# Altium PCB PCB1.PcbDoc (part 5 of 15) (continued)
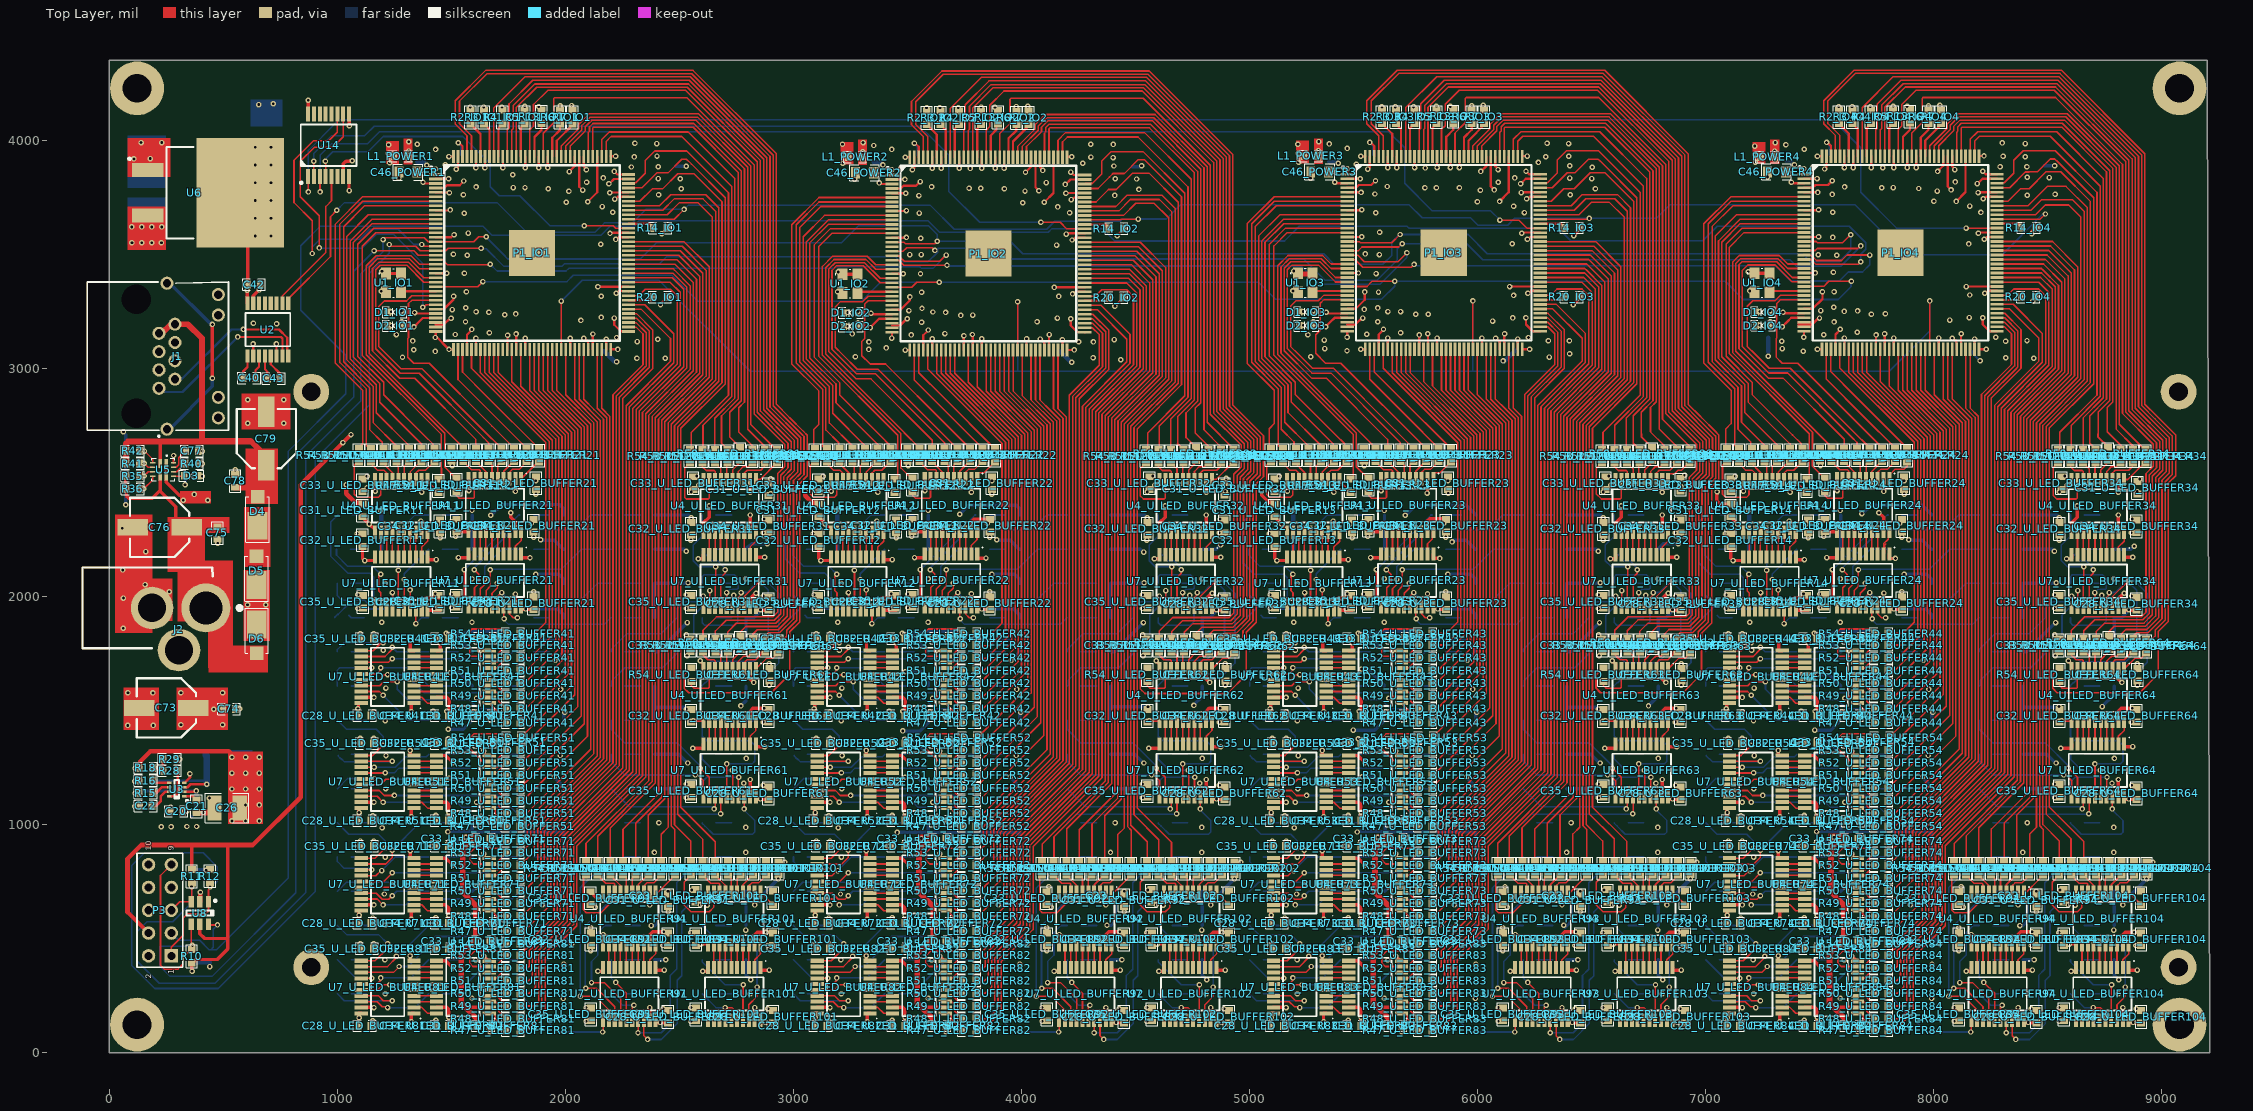
[diagram p0: Top Layer view]
## Nets (pads, with @x,y where several pads share a name; then routed paths per layer and width w, separated by ;. In a path a pad name is that pad's centre, name@x,y a point inside that pad or via, vN(x,y) a via of type N, cw(c..) or ccw(c..) an arc to the next point about the centre after c; other vN are vias at no path point) (continued)
GPIO_20_IO4: P1_IO4.113 R51_U_LED_BUFFER34.2 | length 2136.9
  Top Layer w7: P1_IO4.113@8120.85,3929.87 8120.85,4054.06 8124.95,4058.17 8561.63,4058.17 8758.58,3861.21 8758.58,2881.04 8758.58,2865.72 8685.63,2792.77 8685.63,2672.51 R51_U_LED_BUFFER34.2@8711.35,2646.79 ; 8684.63,2671.51 R51_U_LED_BUFFER34.2@8710.35,2645.79
GPIO_21_IO1: P1_IO1.111 R52_U_LED_BUFFER31.2 | length 1981.2
  Top Layer w7: P1_IO1.111@2159.22,3928.87 2159.22,4003.59 2192.48,4036.85 2538.78,4036.85 2743.58,3832.05 2743.58,2870.51 2654.63,2781.57 2654.63,2646.79 R52_U_LED_BUFFER31.2@2655.63,2645.79
GPIO_21_IO2: P1_IO2.111 R52_U_LED_BUFFER32.2 | length 1982.6
  Top Layer w7: P1_IO2.111@4160.32,3926.27 4160.32,4000.99 4193.58,4034.25 4539.88,4034.25 4744.68,3829.45 4744.68,2867.91 4655.73,2778.97 4655.73,2644.19 R52_U_LED_BUFFER32.2@4656.73,2643.19 ; R52_U_LED_BUFFER32.2@4654.63,2646.79 R52_U_LED_BUFFER32.2@4655.63,2645.79
GPIO_21_IO3: P1_IO3.111 R52_U_LED_BUFFER33.2 | length 1982.6
  Top Layer w7: P1_IO3.111@6157.22,3929.72 6157.22,4004.44 6190.48,4037.7 6536.78,4037.7 6741.58,3832.9 6741.58,2871.36 6652.63,2782.42 6652.63,2647.64 R52_U_LED_BUFFER33.2@6653.63,2646.64 ; R52_U_LED_BUFFER33.2@6654.63,2646.79 R52_U_LED_BUFFER33.2@6655.63,2645.79
GPIO_21_IO4: P1_IO4.111 R52_U_LED_BUFFER34.2 | length 1982.6
  Top Layer w7: P1_IO4.111@8160.22,3929.87 8160.22,4004.59 8193.48,4037.85 8539.78,4037.85 8744.58,3833.05 8744.58,2871.51 8655.63,2782.57 8655.63,2647.79 R52_U_LED_BUFFER34.2@8656.63,2646.79 ; R52_U_LED_BUFFER34.2@8654.63,2646.79 R52_U_LED_BUFFER34.2@8655.63,2645.79
GPIO_22_IO1: P1_IO1.110 R53_U_LED_BUFFER31.2 | length 1927.7
  Top Layer w7: P1_IO1.110@2178.9,3928.87 2178.9,3995.44 2200.63,4017.17 2510.43,4017.17 2729.58,3798.01 2729.58,2883.93 2729.58,2876.31 2603.52,2750.25 R53_U_LED_BUFFER31.2@2603.52,2639.51
GPIO_22_IO2: P1_IO2.110 R53_U_LED_BUFFER32.2 | length 1927.7
  Top Layer w7: P1_IO2.110@4180,3926.27 4180,3992.84 4201.73,4014.57 4511.53,4014.57 4730.68,3795.41 4730.68,2881.33 4730.68,2873.71 4604.62,2747.65 R53_U_LED_BUFFER32.2@4604.62,2636.91
GPIO_22_IO3: P1_IO3.110 R53_U_LED_BUFFER33.2 | length 1927.7
  Top Layer w7: P1_IO3.110@6176.9,3929.72 6176.9,3996.29 6198.63,4018.01 6508.43,4018.01 6727.58,3798.86 6727.58,2884.78 6727.58,2877.16 6601.52,2751.1 R53_U_LED_BUFFER33.2@6601.52,2640.36
GPIO_22_IO4: P1_IO4.110 R53_U_LED_BUFFER34.2 | length 1927.7
  Top Layer w7: P1_IO4.110@8179.9,3929.87 8179.9,3996.44 8201.63,4018.17 8511.43,4018.17 8730.58,3799.01 8730.58,2884.93 8730.58,2877.31 8604.52,2751.25 R53_U_LED_BUFFER34.2@8604.52,2640.51
GPIO_23_IO1: P1_IO1.106 R54_U_LED_BUFFER31.2 | length 1801.5
  Top Layer w7: P1_IO1.106@2276.85,3811.23 2279.26,3813.63 2309.36,3813.63 2351.01,3855.28 2351.01,3911.88 2392.65,3953.52 2532.56,3953.52 2715.58,3770.51 2715.58,2882.11 2552.63,2719.16 2552.63,2652.22 R54_U_LED_BUFFER31.2@2546.2,2645.79
GPIO_23_IO2: P1_IO2.106 R54_U_LED_BUFFER32.2 | length 1810.6
  Top Layer w7: P1_IO2.106@4277.95,3808.63 4280.36,3811.03 4310.46,3811.03 4352.11,3852.68 4352.11,3909.28 4393.75,3950.92 4533.66,3950.92 4716.68,3767.91 4716.68,2879.51 4553.73,2716.56 4553.73,2649.62 R54_U_LED_BUFFER32.2@4547.3,2643.19 ; R54_U_LED_BUFFER32.2@4546.2,2645.79 R54_U_LED_BUFFER32.2@4552.63,2652.22
GPIO_23_IO3: P1_IO3.106 R54_U_LED_BUFFER33.2 | length 1810.6
  Top Layer w7: P1_IO3.106@6274.85,3812.08 6277.26,3814.48 6307.36,3814.48 6349.01,3856.12 6349.01,3912.73 6390.65,3954.37 6530.56,3954.37 6713.58,3771.35 6713.58,2882.96 6550.63,2720.01 6550.63,2653.07 R54_U_LED_BUFFER33.2@6544.2,2646.64 ; R54_U_LED_BUFFER33.2@6546.2,2645.79 R54_U_LED_BUFFER33.2@6552.63,2652.22
GPIO_23_IO4: P1_IO4.106 R54_U_LED_BUFFER34.2 | length 1810.6
  Top Layer w7: P1_IO4.106@8277.85,3812.23 8280.26,3814.63 8310.36,3814.63 8352.01,3856.28 8352.01,3912.88 8393.65,3954.52 8533.56,3954.52 8716.58,3771.51 8716.58,2883.11 8553.63,2720.16 8553.63,2653.22 R54_U_LED_BUFFER34.2@8547.2,2646.79 ; R54_U_LED_BUFFER34.2@8546.2,2645.79 R54_U_LED_BUFFER34.2@8552.63,2652.22
GPIO_24_IO1: P1_IO1.52 R47_U_LED_BUFFER41.2 | length 1810.5
  Top Layer w7: R47_U_LED_BUFFER41.2@1800.63,1447.16 2013.2,1659.73 2013.2,2699.66 2013.2,2714.01 1804.89,2922.32 P1_IO1.52@1804.89,3083.35
GPIO_24_IO2: P1_IO2.52 R47_U_LED_BUFFER42.2 | length 1808.4
  Top Layer w7: R47_U_LED_BUFFER42.2@3800.63,1447.16 3800.63,1448.03 4014.3,1661.69 4014.3,2697.06 4014.3,2711.41 3805.99,2919.72 P1_IO2.52@3805.99,3080.75
GPIO_24_IO3: P1_IO3.52 R47_U_LED_BUFFER43.2 | length 1810.5
  Top Layer w7: R47_U_LED_BUFFER43.2@5798.63,1448.01 6011.2,1660.58 6011.2,2700.51 6011.2,2714.86 5802.89,2923.17 P1_IO3.52@5802.89,3084.2
GPIO_24_IO4: P1_IO4.52 R47_U_LED_BUFFER44.2 | length 1810.5
  Top Layer w7: R47_U_LED_BUFFER44.2@7801.63,1448.16 8014.2,1660.73 8014.2,2700.66 8014.2,2715.01 7805.89,2923.32 P1_IO4.52@7805.89,3084.35
GPIO_25_IO1: P1_IO1.50 R48_U_LED_BUFFER41.2 | length 1770.1
  Top Layer w7: P1_IO1.50@1765.51,3083.35 1765.51,2941.89 1999.2,2708.21 1999.2,2693.86 1999.2,1679.57 1827.9,1508.28 R48_U_LED_BUFFER41.2@1800.63,1508.28
GPIO_25_IO2: P1_IO2.50 R48_U_LED_BUFFER42.2 | length 1770.1
  Top Layer w7: P1_IO2.50@3766.61,3080.75 3766.61,2939.29 4000.3,2705.61 4000.3,2691.26 4000.3,1676.97 3829,1505.68 R48_U_LED_BUFFER42.2@3801.73,1505.68
GPIO_25_IO3: P1_IO3.50 R48_U_LED_BUFFER43.2 | length 1770.1
  Top Layer w7: P1_IO3.50@5763.51,3084.2 5763.51,2942.74 5997.2,2709.06 5997.2,2694.71 5997.2,1680.42 5825.9,1509.13 R48_U_LED_BUFFER43.2@5798.63,1509.13
GPIO_25_IO4: P1_IO4.50 R48_U_LED_BUFFER44.2 | length 1770.1
  Top Layer w7: P1_IO4.50@7766.51,3084.35 7766.51,2942.89 8000.2,2709.21 8000.2,2694.86 8000.2,1680.57 7828.9,1509.28 R48_U_LED_BUFFER44.2@7801.63,1509.28
GPIO_26_IO1: P1_IO1.47 R49_U_LED_BUFFER41.2 | length 1729.4
  Top Layer w7: P1_IO1.47@1706.46,3083.35 1706.46,2981.15 1985.2,2702.41 1985.2,2684.95 1985.2,1717.64 1977.58,1710.03 1964.4,1696.85 1831.39,1563.83 R49_U_LED_BUFFER41.2@1800.63,1563.83
GPIO_26_IO2: P1_IO2.47 R49_U_LED_BUFFER42.2 | length 1729.4
  Top Layer w7: P1_IO2.47@3707.56,3080.75 3707.56,2978.55 3986.3,2699.81 3986.3,2682.35 3986.3,1715.04 3978.68,1707.43 3965.5,1694.25 3832.49,1561.23 R49_U_LED_BUFFER42.2@3801.73,1561.23
GPIO_26_IO3: P1_IO3.47 R49_U_LED_BUFFER43.2 | length 1732.2
  Top Layer w7: P1_IO3.47@5704.46,3084.2 5704.46,2982 5983.2,2703.26 5983.2,2685.8 5983.2,1713.73 5834.15,1564.68 R49_U_LED_BUFFER43.2@5798.63,1564.68
GPIO_26_IO4: P1_IO4.47 R49_U_LED_BUFFER44.2 | length 1729.4
  Top Layer w7: P1_IO4.47@7707.46,3084.35 7707.46,2982.15 7986.2,2703.41 7986.2,2685.95 7986.2,1718.64 7978.58,1711.03 7965.4,1697.85 7832.39,1564.83 R49_U_LED_BUFFER44.2@7801.63,1564.83
GPIO_27_IO1: P1_IO1.46 R50_U_LED_BUFFER41.2 | length 1664.6
  Top Layer w7: P1_IO1.46@1686.77,3083.35 1686.77,2981.04 1971.2,2696.61 1971.2,2689.39 1971.2,1769.2 1821.38,1619.39 R50_U_LED_BUFFER41.2@1800.63,1619.39
GPIO_27_IO2: P1_IO2.46 R50_U_LED_BUFFER42.2 | length 1660.2
  Top Layer w7: P1_IO2.46@3687.87,3080.75 3687.87,2978.44 3972.3,2694.01 3972.3,2686.79 3972.3,1774.14 3814.95,1616.79 R50_U_LED_BUFFER42.2@3801.73,1616.79
GPIO_27_IO3: P1_IO3.46 R50_U_LED_BUFFER43.2 | length 1664.6
  Top Layer w7: P1_IO3.46@5684.77,3084.2 5684.77,2981.89 5969.2,2697.46 5969.2,2690.24 5969.2,1770.05 5819.38,1620.24 R50_U_LED_BUFFER43.2@5798.63,1620.24
GPIO_27_IO4: P1_IO4.46 R50_U_LED_BUFFER44.2 | length 1664.6
  Top Layer w7: P1_IO4.46@7687.77,3084.35 7687.77,2982.04 7972.2,2697.61 7972.2,2690.39 7972.2,1770.2 7822.38,1620.39 R50_U_LED_BUFFER44.2@7801.63,1620.39
GPIO_28_IO1: P1_IO1.45 R51_U_LED_BUFFER41.2 | length 1610.7
  Top Layer w7: P1_IO1.45@1667.09,3083.35 1667.09,2980.92 1957.2,2690.82 1957.2,1802.03 1830.11,1674.94 R51_U_LED_BUFFER41.2@1800.63,1674.94
GPIO_28_IO2: P1_IO2.45 R51_U_LED_BUFFER42.2 | length 1610.7
  Top Layer w7: P1_IO2.45@3668.19,3080.75 3668.19,2978.32 3958.3,2688.22 3958.3,1799.43 3831.21,1672.34 R51_U_LED_BUFFER42.2@3801.73,1672.34
GPIO_28_IO3: P1_IO3.45 R51_U_LED_BUFFER43.2 | length 1610.7
  Top Layer w7: P1_IO3.45@5665.09,3084.2 5665.09,2981.77 5955.2,2691.66 5955.2,1802.88 5828.11,1675.79 R51_U_LED_BUFFER43.2@5798.63,1675.79
GPIO_28_IO4: P1_IO4.45 R51_U_LED_BUFFER44.2 | length 1610.7
  Top Layer w7: P1_IO4.45@7668.09,3084.35 7668.09,2981.92 7958.2,2691.82 7958.2,1803.03 7831.11,1675.94 R51_U_LED_BUFFER44.2@7801.63,1675.94
GPIO_29_IO1: P1_IO1.44 R52_U_LED_BUFFER41.2 | length 1560.2
  Top Layer w7: P1_IO1.44@1647.4,3083.35 1647.4,3001.78 1647.4,2980.81 1943.2,2685.02 1943.2,1829.14 1844.55,1730.5 R52_U_LED_BUFFER41.2@1800.63,1730.5
GPIO_29_IO2: P1_IO2.44 R52_U_LED_BUFFER42.2 | length 1560.2
  Top Layer w7: P1_IO2.44@3648.5,3080.75 3648.5,2999.18 3648.5,2978.21 3944.3,2682.42 3944.3,1826.54 3845.65,1727.9 R52_U_LED_BUFFER42.2@3801.73,1727.9
GPIO_29_IO3: P1_IO3.44 R52_U_LED_BUFFER43.2 | length 1560.2
  Top Layer w7: P1_IO3.44@5645.4,3084.2 5645.4,3002.63 5645.4,2981.66 5941.2,2685.87 5941.2,1829.99 5842.55,1731.35 R52_U_LED_BUFFER43.2@5798.63,1731.35
GPIO_29_IO4: P1_IO4.44 R52_U_LED_BUFFER44.2 | length 1560.2
  Top Layer w7: P1_IO4.44@7648.4,3084.35 7648.4,3002.78 7648.4,2981.81 7944.2,2686.02 7944.2,1830.14 7845.55,1731.5 R52_U_LED_BUFFER44.2@7801.63,1731.5
GPIO_30_IO1: P1_IO1.43 R53_U_LED_BUFFER41.2 | length 1510.6
  Top Layer w7: P1_IO1.43@1627.72,3083.35 1627.72,3001.67 1627.72,2980.69 1929.2,2679.22 1929.2,1854.61 1860.64,1786.05 R53_U_LED_BUFFER41.2@1800.63,1786.05
GPIO_30_IO2: P1_IO2.43 R53_U_LED_BUFFER42.2 | length 1510.6
  Top Layer w7: P1_IO2.43@3628.82,3080.75 3628.82,2999.07 3628.82,2978.09 3930.3,2676.62 3930.3,1852.01 3861.74,1783.45 R53_U_LED_BUFFER42.2@3801.73,1783.45
GPIO_30_IO3: P1_IO3.43 R53_U_LED_BUFFER43.2 | length 1510.6
  Top Layer w7: P1_IO3.43@5625.72,3084.2 5625.72,3002.52 5625.72,2981.54 5927.2,2680.07 5927.2,1855.46 5858.64,1786.9 R53_U_LED_BUFFER43.2@5798.63,1786.9
GPIO_30_IO4: P1_IO4.43 R53_U_LED_BUFFER44.2 | length 1510.6
  Top Layer w7: P1_IO4.43@7628.72,3084.35 7628.72,3002.67 7628.72,2981.69 7930.2,2680.22 7930.2,1855.61 7861.64,1787.05 R53_U_LED_BUFFER44.2@7801.63,1787.05
GPIO_31_IO1: P1_IO1.41 R54_U_LED_BUFFER41.2 | length 1466.1
  Top Layer w7: P1_IO1.41@1588.35,3083.35 1588.35,3072.47 1588.35,3021.24 1588.35,3000.27 1913.88,2674.74 1913.88,2257.8 1913.88,2239.16 1913.88,1885.34 1865.7,1837.16 R54_U_LED_BUFFER41.2@1800.63,1837.16
GPIO_31_IO2: P1_IO2.41 R54_U_LED_BUFFER42.2 | length 1466.1
  Top Layer w7: P1_IO2.41@3589.45,3080.75 3589.45,3069.87 3589.45,3018.64 3589.45,2997.67 3914.98,2672.14 3914.98,2255.2 3914.98,2236.56 3914.98,1882.74 3866.8,1834.56 R54_U_LED_BUFFER42.2@3801.73,1834.56
GPIO_31_IO3: P1_IO3.41 R54_U_LED_BUFFER43.2 | length 1467.1
  Top Layer w7: P1_IO3.41@5586.35,3084.2 5586.35,3073.32 5586.35,3022.09 5586.35,3001.12 5913.2,2674.27 5913.2,1887.51 5863.7,1838.01 R54_U_LED_BUFFER43.2@5798.63,1838.01
GPIO_31_IO4: P1_IO4.41 R54_U_LED_BUFFER44.2 | length 1466.1
  Top Layer w7: P1_IO4.41@7589.35,3084.35 7589.35,3073.47 7589.35,3022.24 7589.35,3001.27 7914.88,2675.74 7914.88,2258.8 7914.88,2240.16 7914.88,1886.34 7866.7,1838.16 R54_U_LED_BUFFER44.2@7801.63,1838.16
GPIO_32_IO1: P1_IO1.62 R47_U_LED_BUFFER51.2 | length 2280.5
  Top Layer w7: R47_U_LED_BUFFER51.2@1799.83,992.06 1805.52,992.06 2125.2,1311.73 2125.2,1451.53 2125.2,1452.7 2125.2,2147.27 2125.2,2760.4 2001.74,2883.86 P1_IO1.62@2001.74,3083.35
GPIO_32_IO2: P1_IO2.62 R47_U_LED_BUFFER52.2 | length 2280.5
  Top Layer w7: R47_U_LED_BUFFER52.2@3800.93,989.46 3806.62,989.46 4126.3,1309.13 4126.3,1448.93 4126.3,1450.1 4126.3,2144.67 4126.3,2757.8 4002.84,2881.26 P1_IO2.62@4002.84,3080.75
GPIO_32_IO3: P1_IO3.62 R47_U_LED_BUFFER53.2 | length 2280.5
  Top Layer w7: R47_U_LED_BUFFER53.2@5797.83,992.91 5803.52,992.91 6123.2,1312.58 6123.2,1452.38 6123.2,1453.55 6123.2,2148.12 6123.2,2761.25 5999.74,2884.71 P1_IO3.62@5999.74,3084.2
GPIO_32_IO4: P1_IO4.62 R47_U_LED_BUFFER54.2 | length 2280.5
  Top Layer w7: R47_U_LED_BUFFER54.2@7800.83,993.06 7806.52,993.06 8126.2,1312.73 8126.2,1452.53 8126.2,1453.7 8126.2,2148.27 8126.2,2761.4 8002.74,2884.86 P1_IO4.62@8002.74,3084.35
GPIO_33_IO1: P1_IO1.60 R48_U_LED_BUFFER51.2 | length 2242.3
  Top Layer w7: R48_U_LED_BUFFER51.2@1800.63,1048.28 1829.48,1048.28 2111.2,1329.99 2111.2,1457.33 2111.2,1458.5 2111.2,2141.47 2111.2,2740.57 2111.2,2754.6 1962.37,2903.43 P1_IO1.60@1962.37,3083.35
GPIO_33_IO2: P1_IO2.60 R48_U_LED_BUFFER52.2 | length 2242.3
  Top Layer w7: R48_U_LED_BUFFER52.2@3801.73,1045.68 3830.58,1045.68 4112.3,1327.39 4112.3,1454.73 4112.3,1455.9 4112.3,2138.87 4112.3,2737.97 4112.3,2752 3963.47,2900.83 P1_IO2.60@3963.47,3080.75
GPIO_33_IO3: P1_IO3.60 R48_U_LED_BUFFER53.2 | length 2242.3
  Top Layer w7: R48_U_LED_BUFFER53.2@5798.63,1049.13 5827.48,1049.13 6109.2,1330.84 6109.2,1458.18 6109.2,1459.35 6109.2,2142.32 6109.2,2741.42 6109.2,2755.45 5960.37,2904.28 P1_IO3.60@5960.37,3084.2
GPIO_33_IO4: P1_IO4.60 R48_U_LED_BUFFER54.2 | length 2242.3
  Top Layer w7: R48_U_LED_BUFFER54.2@7801.63,1049.28 7830.48,1049.28 8112.2,1330.99 8112.2,1458.33 8112.2,1459.5 8112.2,2142.47 8112.2,2741.57 8112.2,2755.6 7963.37,2904.43 P1_IO4.60@7963.37,3084.35
GPIO_34_IO1: P1_IO1.59 R49_U_LED_BUFFER51.2 | length 2174
  Top Layer w7: R49_U_LED_BUFFER51.2@1800.63,1103.83 1813.72,1103.83 2097.2,1387.31 2097.2,1463.13 2097.2,1464.3 2097.2,2135.68 2097.2,2734.77 2097.2,2748.8 1942.68,2903.32 P1_IO1.59@1942.68,3083.35
GPIO_34_IO2: P1_IO2.59 R49_U_LED_BUFFER52.2 | length 2170.7
  Top Layer w7: R49_U_LED_BUFFER52.2@3801.73,1101.23 3809.15,1101.23 4098.3,1390.37 4098.3,1460.53 4098.3,1461.7 4098.3,2133.08 4098.3,2732.17 4098.3,2746.2 3943.78,2900.72 P1_IO2.59@3943.78,3080.75
GPIO_34_IO3: P1_IO3.59 R49_U_LED_BUFFER53.2 | length 2174
  Top Layer w7: R49_U_LED_BUFFER53.2@5798.63,1104.68 5811.72,1104.68 6095.2,1388.16 6095.2,1463.98 6095.2,1465.15 6095.2,2136.52 6095.2,2735.62 6095.2,2749.65 5940.68,2904.17 P1_IO3.59@5940.68,3084.2
GPIO_34_IO4: P1_IO4.59 R49_U_LED_BUFFER54.2 | length 2174
  Top Layer w7: R49_U_LED_BUFFER54.2@7801.63,1104.83 7814.72,1104.83 8098.2,1388.31 8098.2,1464.13 8098.2,1465.3 8098.2,2136.68 8098.2,2735.77 8098.2,2749.8 7943.68,2904.32 P1_IO4.59@7943.68,3084.35
GPIO_35_IO1: P1_IO1.58 R50_U_LED_BUFFER51.2 | length 2107.4
  Top Layer w7: R50_U_LED_BUFFER51.2@1800.63,1159.39 2028.63,1387.39 2083.2,1441.95 2083.2,1468.93 2083.2,1470.1 2083.2,2122.19 2083.2,2728.97 2083.2,2743.01 1923,2903.21 1923,3074.8 P1_IO1.58@1923,3083.35
GPIO_35_IO2: P1_IO2.58 R50_U_LED_BUFFER52.2 | length 2105.2
  Top Layer w7: R50_U_LED_BUFFER52.2@3800.63,1159.39 3800.63,1162.82 4084.3,1446.48 4084.3,1466.33 4084.3,1467.5 4084.3,2119.59 4084.3,2726.37 4084.3,2740.41 3924.1,2900.61 3924.1,3072.2 P1_IO2.58@3924.1,3080.75
GPIO_35_IO3: P1_IO3.58 R50_U_LED_BUFFER53.2 | length 2107.4
  Top Layer w7: R50_U_LED_BUFFER53.2@5798.63,1160.24 6026.63,1388.24 6081.2,1442.8 6081.2,1469.78 6081.2,1470.95 6081.2,2123.04 6081.2,2729.82 6081.2,2743.85 5921,2904.06 5921,3075.65 P1_IO3.58@5921,3084.2
GPIO_35_IO4: P1_IO4.58 R50_U_LED_BUFFER54.2 | length 2107.4
  Top Layer w7: R50_U_LED_BUFFER54.2@7801.63,1160.39 8029.63,1388.39 8084.2,1442.95 8084.2,1469.93 8084.2,1471.1 8084.2,2123.19 8084.2,2729.97 8084.2,2744.01 7924,2904.21 7924,3075.8 P1_IO4.58@7924,3084.35
GPIO_36_IO1: P1_IO1.57 R51_U_LED_BUFFER51.2 | length 2052.8
  Top Layer w7: R51_U_LED_BUFFER51.2@1800.63,1214.94 1808.24,1214.94 2069.2,1475.9 2069.2,2116.39 2069.2,2127.99 2069.2,2723.17 2069.2,2737.21 1903.31,2903.09 1903.31,3074.49 P1_IO1.57@1903.31,3083.35
GPIO_36_IO2: P1_IO2.57 R51_U_LED_BUFFER52.2 | length 2052.8
  Top Layer w7: R51_U_LED_BUFFER52.2@3801.73,1212.34 3809.34,1212.34 4070.3,1473.3 4070.3,2113.79 4070.3,2125.39 4070.3,2720.57 4070.3,2734.61 3904.41,2900.49 3904.41,3071.89 P1_IO2.57@3904.41,3080.75
GPIO_36_IO3: P1_IO3.57 R51_U_LED_BUFFER53.2 | length 2052.8
  Top Layer w7: R51_U_LED_BUFFER53.2@5798.63,1215.79 5806.24,1215.79 6067.2,1476.75 6067.2,2117.24 6067.2,2128.84 6067.2,2724.02 6067.2,2738.06 5901.31,2903.94 5901.31,3075.34 P1_IO3.57@5901.31,3084.2
GPIO_36_IO4: P1_IO4.57 R51_U_LED_BUFFER54.2 | length 2052.8
  Top Layer w7: R51_U_LED_BUFFER54.2@7801.63,1215.94 7809.24,1215.94 8070.2,1476.9 8070.2,2117.39 8070.2,2128.99 8070.2,2724.17 8070.2,2738.21 7904.31,2904.09 7904.31,3075.49 P1_IO4.57@7904.31,3084.35
GPIO_37_IO1: P1_IO1.56 R52_U_LED_BUFFER51.2 | length 1994
  Top Layer w7: R52_U_LED_BUFFER51.2@1800.63,1270.5 1808.57,1270.5 2055.2,1517.12 2055.2,2110.59 2055.2,2133.78 2055.2,2717.37 2055.2,2731.41 1883.63,2902.98 P1_IO1.56@1883.63,3083.35
GPIO_37_IO2: P1_IO2.56 R52_U_LED_BUFFER52.2 | length 1994
  Top Layer w7: R52_U_LED_BUFFER52.2@3801.73,1267.9 3809.67,1267.9 4056.3,1514.52 4056.3,2107.99 4056.3,2131.18 4056.3,2714.77 4056.3,2728.81 3884.73,2900.38 P1_IO2.56@3884.73,3080.75
GPIO_37_IO3: P1_IO3.56 R52_U_LED_BUFFER53.2 | length 1998.6
  Top Layer w7: R52_U_LED_BUFFER53.2@5798.63,1271.35 5814.44,1271.35 6053.2,1510.1 6053.2,2111.44 6053.2,2134.63 6053.2,2718.22 6053.2,2732.26 5881.63,2903.83 P1_IO3.56@5881.63,3084.2
GPIO_37_IO4: P1_IO4.56 R52_U_LED_BUFFER54.2 | length 1994
  Top Layer w7: R52_U_LED_BUFFER54.2@7801.63,1271.5 7809.57,1271.5 8056.2,1518.12 8056.2,2111.59 8056.2,2134.78 8056.2,2718.37 8056.2,2732.41 7884.63,2903.98 P1_IO4.56@7884.63,3084.35
GPIO_38_IO1: P1_IO1.55 R53_U_LED_BUFFER51.2 | length 1930.4
  Top Layer w7: R53_U_LED_BUFFER51.2@1800.63,1326.05 1800.63,1328.75 2041.2,1569.31 2041.2,2104.79 2041.2,2711.58 2041.2,2725.61 1863.94,2902.87 1863.94,3083.27 P1_IO1.55@1863.94,3083.35
GPIO_38_IO2: P1_IO2.55 R53_U_LED_BUFFER52.2 | length 1929.7
  Top Layer w7: R53_U_LED_BUFFER52.2@3800.63,1326.05 3800.63,1328.55 3812.13,1340.05 3814.63,1340.05 3974.64,1500.06 3974.64,1508.56 4042.3,1576.22 4042.3,2102.19 4042.3,2708.98 4042.3,2723.01 3865.04,2900.27 3865.04,3080.67 P1_IO2.55@3865.04,3080.75
GPIO_38_IO3: P1_IO3.55 R53_U_LED_BUFFER53.2 | length 1934
  Top Layer w7: R53_U_LED_BUFFER53.2@5800.63,1326.05 5800.63,1336.8 5816.58,1352.75 5822.72,1352.75 5828.87,1358.9 5828.87,1365.04 6039.2,1575.37 6039.2,2105.64 6039.2,2712.43 6039.2,2726.46 5861.94,2903.72 P1_IO3.55@5861.94,3084.2 P1_IO3.55@5861.94,3084.2
GPIO_38_IO4: P1_IO4.55 R53_U_LED_BUFFER54.2 | length 1930.4
  Top Layer w7: R53_U_LED_BUFFER54.2@7801.63,1327.05 7801.63,1329.75 8042.2,1570.31 8042.2,2105.79 8042.2,2712.58 8042.2,2726.61 7864.94,2903.87 7864.94,3084.27 P1_IO4.55@7864.94,3084.35
GPIO_39_IO1: P1_IO1.54 R54_U_LED_BUFFER51.2 | length 1874.3
  Top Layer w7: R54_U_LED_BUFFER51.2@1803.37,1380.75 2027.2,1604.58 2027.2,1653.93 ; P1_IO1.54@1844.26,3083.35 1844.26,2902.75 2027.2,2719.81 2027.2,2705.78 2027.2,2098.99 2027.2,1653.93 ; 2027.2,1657.16 2027.2,1653.93
GPIO_39_IO2: P1_IO2.54 R54_U_LED_BUFFER52.2 | length 1874.3
  Top Layer w7: R54_U_LED_BUFFER52.2@3804.47,1378.15 4028.3,1601.98 4028.3,1651.33 ; P1_IO2.54@3845.36,3080.75 3845.36,2900.15 4028.3,2717.21 4028.3,2703.18 4028.3,2096.39 4028.3,1651.33 ; 4028.3,1654.56 4028.3,1651.33
GPIO_39_IO3: P1_IO3.54 R54_U_LED_BUFFER53.2 | length 1874.3
  Top Layer w7: R54_U_LED_BUFFER53.2@5801.37,1381.6 6025.2,1605.43 6025.2,1654.78 ; P1_IO3.54@5842.26,3084.2 5842.26,2903.6 6025.2,2720.66 6025.2,2706.63 6025.2,2099.84 6025.2,1654.78 ; 6025.2,1658.01 6025.2,1654.78
GPIO_39_IO4: P1_IO4.54 R54_U_LED_BUFFER54.2 | length 1874.3
  Top Layer w7: R54_U_LED_BUFFER54.2@7804.37,1381.75 8028.2,1605.58 8028.2,1654.93 ; P1_IO4.54@7845.26,3084.35 7845.26,2903.75 8028.2,2720.81 8028.2,2706.78 8028.2,2099.99 8028.2,1654.93 ; 8028.2,1658.16 8028.2,1654.93
GPIO_40_IO1: P1_IO1.140 R47_U_LED_BUFFER61.2 | length 4081.4
  Top Layer w7: P1_IO1.140@1588.35,3928.87 1588.35,4020 1535.85,4072.5 1535.85,4172.38 1656.16,4292.69 2553.9,4292.69 2911.58,3935.01 2911.58,2836.42 2970.43,2777.56 3038.43,2709.57 3046.63,2701.37 3046.63,2534.52 3014.63,2502.52 3014.63,1895.39 2970.43,1851.19 2970.43,1825.17 2956.32,1811.05 R47_U_LED_BUFFER61.2@2931.24,1811.05
GPIO_40_IO2: P1_IO2.140 R47_U_LED_BUFFER62.2 | length 4081.4
  Top Layer w7: P1_IO2.140@3589.45,3926.27 3589.45,4017.4 3536.95,4069.9 3536.95,4169.78 3657.26,4290.09 4555,4290.09 4912.68,3932.41 4912.68,2833.82 4971.53,2774.96 5039.53,2706.97 5047.73,2698.77 5047.73,2531.92 5015.73,2499.92 5015.73,1892.79 4971.53,1848.59 4971.53,1822.57 4957.42,1808.45 R47_U_LED_BUFFER62.2@4932.34,1808.45
GPIO_40_IO3: P1_IO3.140 R47_U_LED_BUFFER63.2 | length 4081.4
  Top Layer w7: P1_IO3.140@5586.35,3929.72 5586.35,4020.85 5533.85,4073.35 5533.85,4173.23 5654.16,4293.54 6551.9,4293.54 6909.58,3935.86 6909.58,2837.27 6968.43,2778.41 7036.43,2710.42 7044.63,2702.22 7044.63,2518.65 7012.63,2486.65 7012.63,2481.08 7012.63,1888.8 6968.43,1844.6 6968.43,1836.78 6968.43,1826.02 6954.32,1811.9 R47_U_LED_BUFFER63.2@6929.24,1811.9
GPIO_40_IO4: P1_IO4.140 R47_U_LED_BUFFER64.2 | length 4081.4
  Top Layer w7: P1_IO4.140@7589.35,3929.87 7589.35,4021 7536.85,4073.5 7536.85,4173.38 7657.16,4293.69 8554.9,4293.69 8912.58,3936.01 8912.58,2837.42 8971.43,2778.56 9039.43,2710.57 9047.63,2702.37 9047.63,2535.52 9015.63,2503.52 9015.63,1896.39 8971.43,1852.19 8971.43,1826.17 8957.32,1812.05 R47_U_LED_BUFFER64.2@8932.24,1812.05
GPIO_41_IO1: P1_IO1.135 R48_U_LED_BUFFER61.2 | length 3888.1
  Top Layer w7: P1_IO1.135@1686.77,3928.87 1686.77,4142.63 1822.84,4278.69 2548.1,4278.69 2897.58,3929.21 2897.58,2830.62 3032.63,2695.57 3032.63,2540.32 3000.63,2508.32 3000.63,1901.19 2939.63,1840.18 2890.63,1840.18 2876.64,1826.19 R48_U_LED_BUFFER61.2@2876.64,1816.05
GPIO_41_IO2: P1_IO2.135 R48_U_LED_BUFFER62.2 | length 3888.1
  Top Layer w7: P1_IO2.135@3687.87,3926.27 3687.87,4140.03 3823.94,4276.09 4549.2,4276.09 4898.68,3926.61 4898.68,2828.02 5033.73,2692.97 5033.73,2537.72 5001.73,2505.72 5001.73,1898.59 4940.73,1837.58 4891.73,1837.58 4877.74,1823.59 R48_U_LED_BUFFER62.2@4877.74,1813.45
GPIO_41_IO3: P1_IO3.135 R48_U_LED_BUFFER63.2 | length 3891.3
  Top Layer w7: P1_IO3.135@5684.77,3929.72 5684.77,4143.48 5820.84,4279.54 6546.1,4279.54 6895.58,3930.06 6895.58,2831.47 7030.63,2696.42 7030.63,2524.45 6998.63,2492.45 6998.63,2476.41 6998.63,1897.31 6998.63,1896.59 6943.07,1841.03 6942.35,1841.03 6888.63,1841.03 6874.64,1827.04 R48_U_LED_BUFFER63.2@6874.64,1816.9
GPIO_41_IO4: P1_IO4.135 R48_U_LED_BUFFER64.2 | length 3888.1
  Top Layer w7: P1_IO4.135@7687.77,3929.87 7687.77,4143.63 7823.84,4279.69 8549.1,4279.69 8898.58,3930.21 8898.58,2831.62 9033.63,2696.57 9033.63,2541.32 9001.63,2509.32 9001.63,1902.19 8940.63,1841.18 8891.63,1841.18 8877.64,1827.19 R48_U_LED_BUFFER64.2@8877.64,1817.05
GPIO_42_IO1: P1_IO1.132 R49_U_LED_BUFFER61.2 | length 3846.7
  Top Layer w7: P1_IO1.132@1745.83,3928.87 1745.83,4045.52 1752.83,4052.52 1752.83,4159.37 1856.78,4263.31 2543.68,4263.31 2883.58,3923.41 2883.58,2824.82 3018.63,2689.77 3018.63,2568.82 3018.63,2546.12 2986.63,2514.12 2986.63,1906.99 2933.83,1854.18 2841.63,1854.18 2822.05,1834.6 R49_U_LED_BUFFER61.2@2822.05,1816.05
GPIO_42_IO2: P1_IO2.132 R49_U_LED_BUFFER62.2 | length 3846.7
  Top Layer w7: P1_IO2.132@3746.93,3926.27 3746.93,4042.92 3753.93,4049.92 3753.93,4156.77 3857.88,4260.71 4544.78,4260.71 4884.68,3920.81 4884.68,2822.22 5019.73,2687.17 5019.73,2566.22 5019.73,2543.52 4987.73,2511.52 4987.73,1904.39 4934.93,1851.58 4842.73,1851.58 4823.15,1832 R49_U_LED_BUFFER62.2@4823.15,1813.45
GPIO_42_IO3: P1_IO3.132 R49_U_LED_BUFFER63.2 | length 3849.9
  Top Layer w7: P1_IO3.132@5743.83,3929.72 5743.83,4046.37 5750.83,4053.37 5750.83,4160.22 5854.78,4264.16 6541.68,4264.16 6881.58,3924.26 6881.58,2825.67 7016.63,2690.62 7016.63,2569.67 7016.63,2530.25 6984.63,2498.25 6984.63,2465.84 6984.63,1904.31 6984.63,1902.39 6937.27,1855.03 6935.35,1855.03 6839.63,1855.03 6820.05,1835.45 R49_U_LED_BUFFER63.2@6820.05,1816.9
GPIO_42_IO4: P1_IO4.132 R49_U_LED_BUFFER64.2 | length 3846.7
  Top Layer w7: P1_IO4.132@7746.83,3929.87 7746.83,4046.52 7753.83,4053.52 7753.83,4160.37 7857.78,4264.31 8544.68,4264.31 8884.58,3924.41 8884.58,2825.82 9019.63,2690.77 9019.63,2569.82 9019.63,2547.12 8987.63,2515.12 8987.63,1907.99 8934.83,1855.18 8842.63,1855.18 8823.05,1835.6 R49_U_LED_BUFFER64.2@8823.05,1817.05
GPIO_43_IO1: P1_IO1.131 R50_U_LED_BUFFER61.2 | length 3831.3
  Top Layer w7: P1_IO1.131@1765.51,3928.87 1765.51,4045.4 1771.2,4051.09 1771.2,4152.49 1865.87,4247.16 2540.03,4247.16 2869.58,3917.61 2869.58,2819.02 3004.63,2683.97 3004.63,2566.38 3004.63,2551.92 2972.63,2519.92 2972.63,1928.24 2972.63,1912.78 2928.03,1868.18 2912.58,1868.18 2791.65,1868.18 2767.17,1843.71 R50_U_LED_BUFFER61.2@2767.17,1820.57
GPIO_43_IO2: P1_IO2.131 R50_U_LED_BUFFER62.2 | length 3831.3
  Top Layer w7: P1_IO2.131@3766.61,3926.27 3766.61,4042.8 3772.3,4048.49 3772.3,4149.89 3866.97,4244.56 4541.13,4244.56 4870.68,3915.01 4870.68,2816.42 5005.73,2681.37 5005.73,2563.78 5005.73,2549.32 4973.73,2517.32 4973.73,1925.64 4973.73,1910.18 4929.13,1865.58 4913.68,1865.58 4792.75,1865.58 4768.27,1841.11 R50_U_LED_BUFFER62.2@4768.27,1817.97
GPIO_43_IO3: P1_IO3.131 R50_U_LED_BUFFER63.2 | length 3834.5
  Top Layer w7: P1_IO3.131@5763.51,3929.72 5763.51,4046.25 5769.2,4051.94 5769.2,4153.34 5863.87,4248.01 6538.03,4248.01 6867.58,3918.46 6867.58,2819.87 7002.63,2684.82 7002.63,2567.23 7002.63,2536.05 6970.63,2504.05 6970.63,2480.31 6970.63,1929.09 6970.63,1908.19 6931.47,1869.03 6910.58,1869.03 6789.65,1869.03 6765.17,1844.56 R50_U_LED_BUFFER63.2@6765.17,1821.42
GPIO_43_IO4: P1_IO4.131 R50_U_LED_BUFFER64.2 | length 3831.3
  Top Layer w7: P1_IO4.131@7766.51,3929.87 7766.51,4046.4 7772.2,4052.09 7772.2,4153.49 7866.87,4248.16 8541.03,4248.16 8870.58,3918.61 8870.58,2820.02 9005.63,2684.97 9005.63,2567.38 9005.63,2552.92 8973.63,2520.92 8973.63,1929.24 8973.63,1913.78 8929.03,1869.18 8913.58,1869.18 8792.65,1869.18 8768.17,1844.71 R50_U_LED_BUFFER64.2@8768.17,1821.57
GPIO_44_IO1: P1_IO1.130 R51_U_LED_BUFFER61.2 | length 3823.5
  Top Layer w7: P1_IO1.130@1785.2,3928.87 1785.2,4144.06 1874.31,4233.16 2534.23,4233.16 2855.58,3911.81 2855.58,2813.22 2990.63,2678.17 2990.63,2580.31 2990.63,2557.72 2958.63,2525.72 2958.63,1929.69 2958.63,1918.58 2922.23,1882.18 2911.12,1882.18 2749.63,1882.18 2712.85,1845.4 R51_U_LED_BUFFER61.2@2712.85,1816.05
GPIO_44_IO2: P1_IO2.130 R51_U_LED_BUFFER62.2 | length 3823.5
  Top Layer w7: P1_IO2.130@3786.3,3926.27 3786.3,4141.46 3875.41,4230.56 4535.33,4230.56 4856.68,3909.21 4856.68,2810.62 4991.73,2675.57 4991.73,2577.71 4991.73,2555.12 4959.73,2523.12 4959.73,1927.09 4959.73,1915.98 4923.33,1879.58 4912.22,1879.58 4750.73,1879.58 4713.95,1842.8 R51_U_LED_BUFFER62.2@4713.95,1813.45